# Altium PCB Layout.PcbDoc (part 1 of 2) (continued)
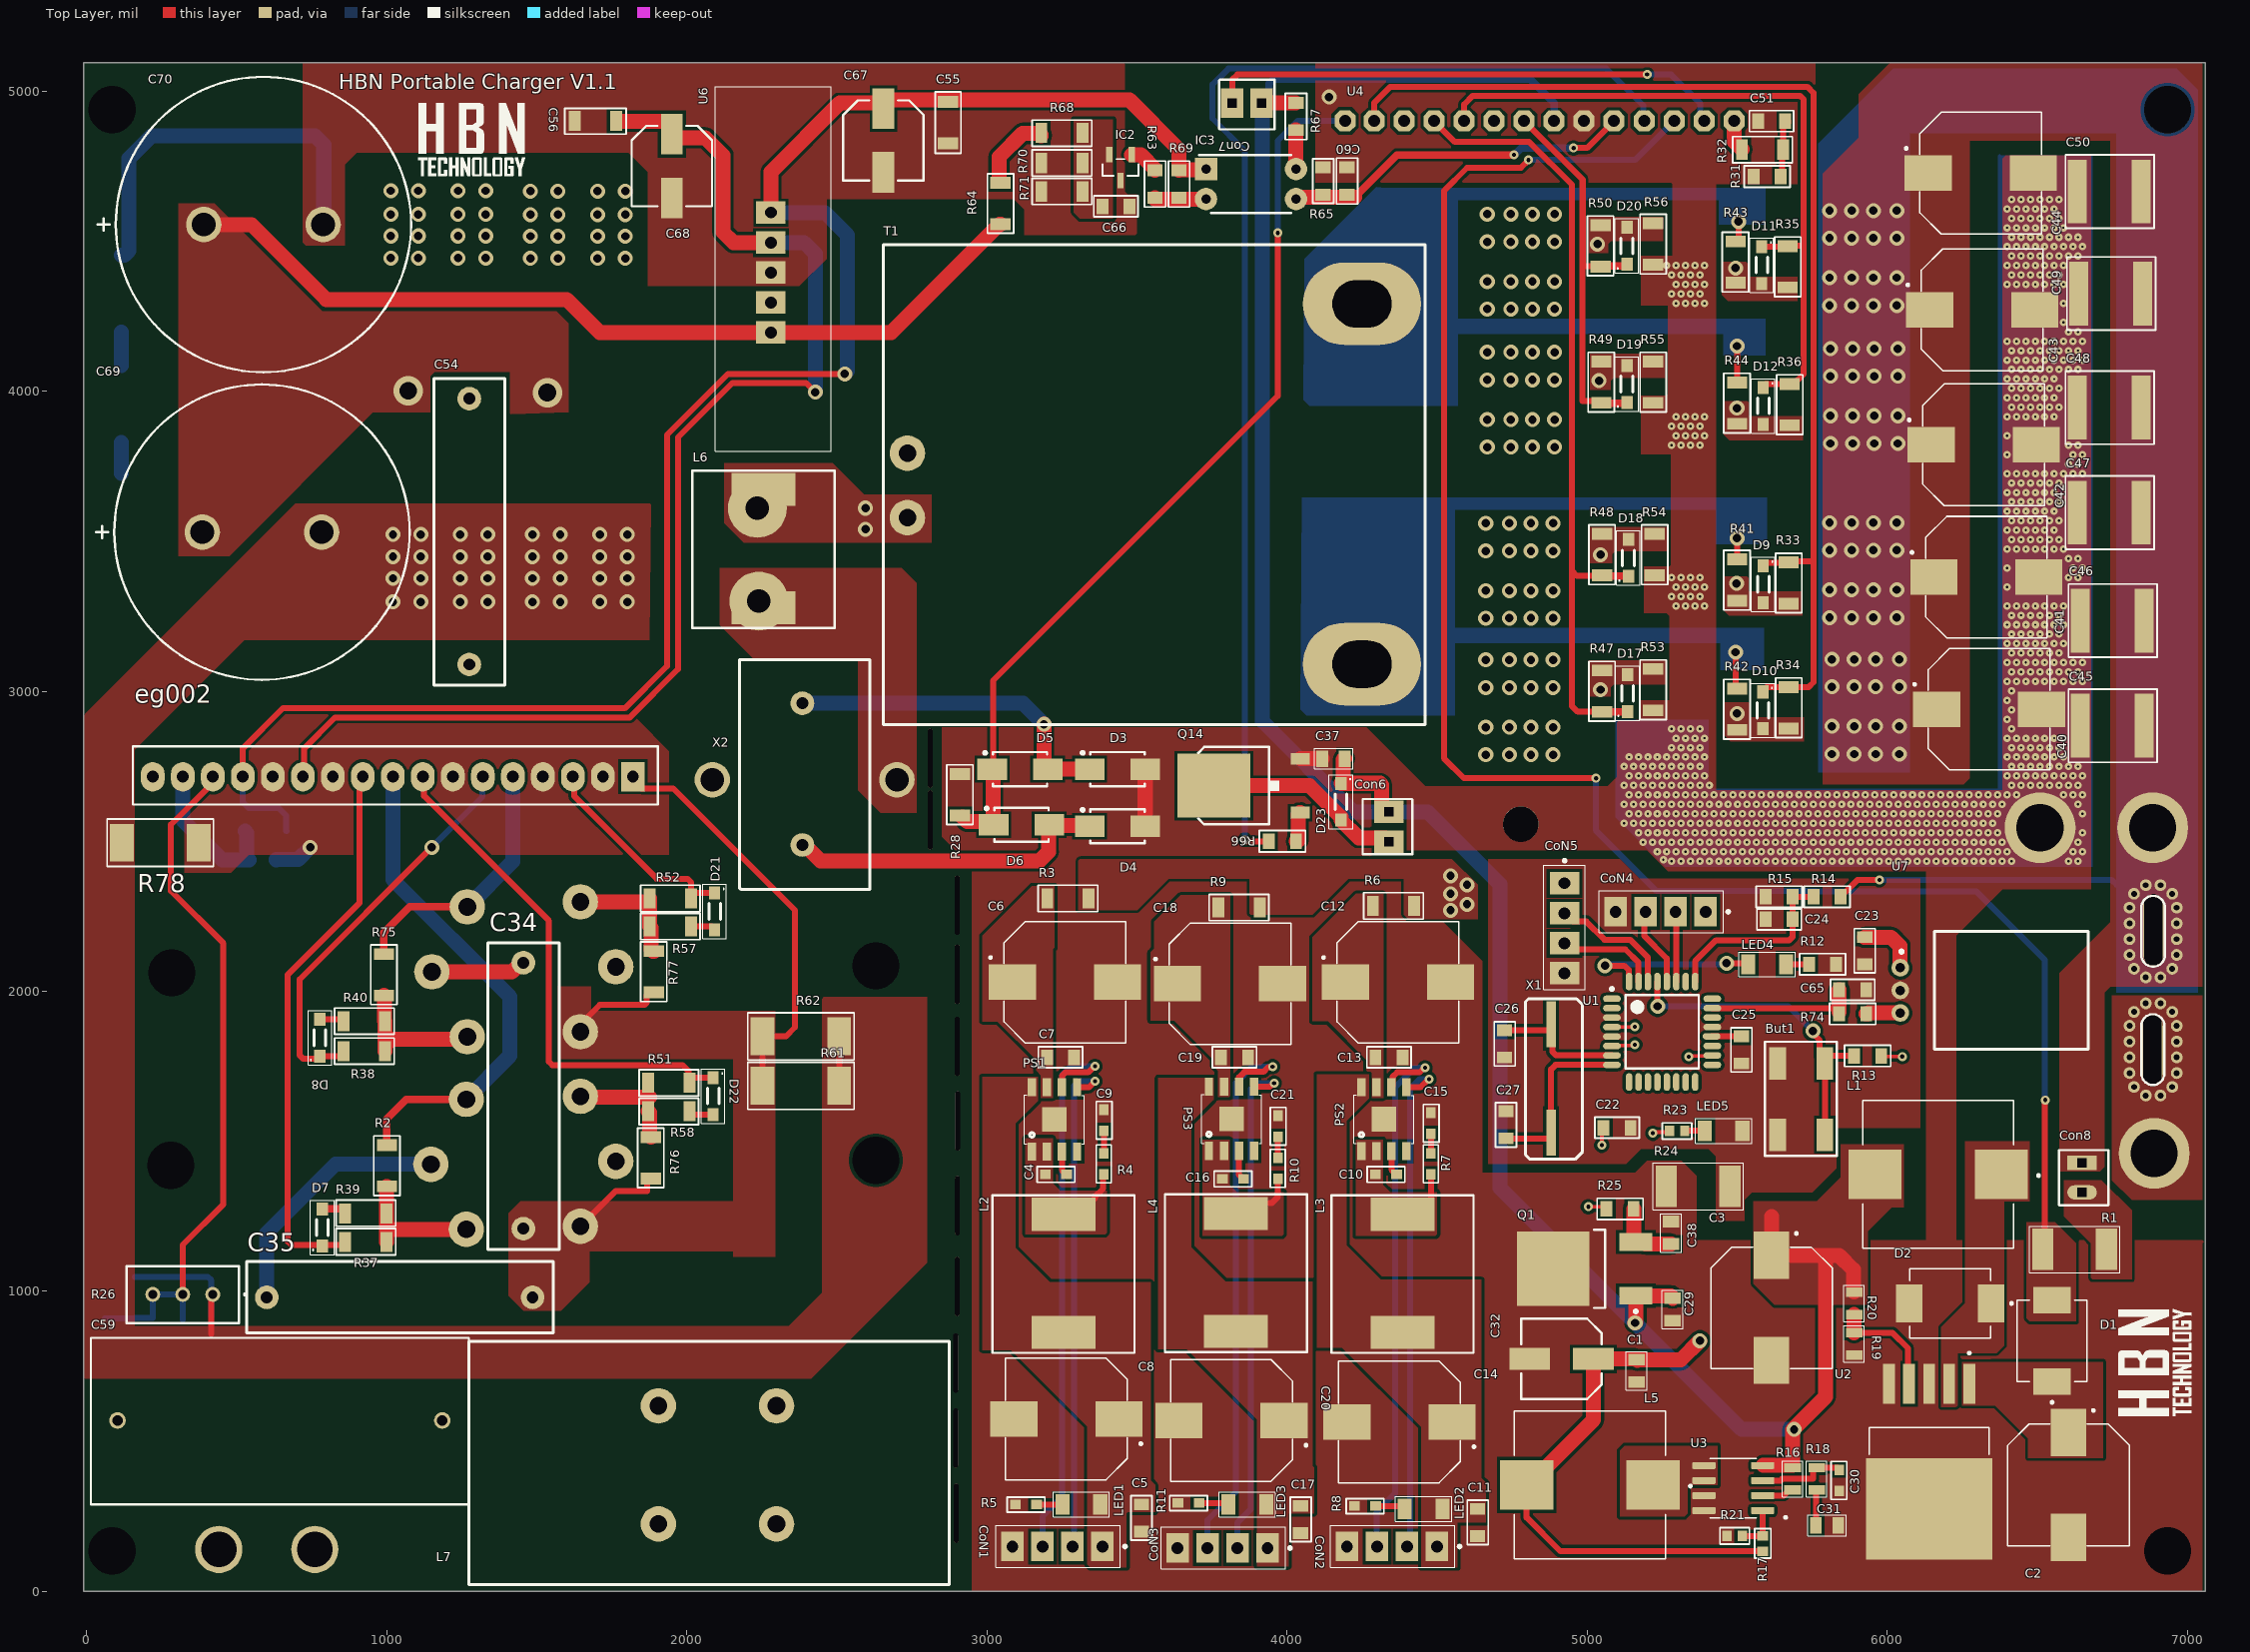
[diagram p0: Top Layer view]
## Components (designator, comment, footprint, x,y, rotation, side; value= is the part's Value field where it differs from the comment) (continued)
D17 "1n4148" SOD123 5136.97,2934.43 r90 top
D18 "1n4148" SOD123 5140,3385 r90 top
D19 "1n4148" SOD123 5135,3965 r90 top
D20 "1n4148" SOD123 5135,4425 r90 top
D21 "1n4148" SOD123 2090,2325 r270 top
D22 "1n4148" SOD123 2085,1710 r270 top
D23 "1n4148" SOD123 4178.03,2690.57 r270 top
eg002 "eg002" eg002 1820,2715 r270 top
IC2 "TL431ACDBZR" SOT95P237X112-3N 3445,4745 r270 top
IC3 "EL817(C)" DIP762W60P254L458H480Q4N 3880,4690 r0 top
L1 "220uH" IND_MDH12577C-101MA=P3 6170,1390 r180 top
L2 "inducter_SMPI06050" inductor 3255,1060 r180 top
L3 "inducter_SMPI06050" inductor 4385,1060 r180 top
L4 "inducter_SMPI06050" inductor 3830,1063.15 r180 top
L5 "220uH" IND_MDH12577C-101MA=P3 5009.37,355 r180 top
L6 "inducter_SMPI06050" inductor 2255,3475 r180 top
L7 "choke" choke 2298.7,618.7 r180 top
LED1 "LTST-C150KGKT" LED1206 3315,290 r0 top
LED2 "LTST-C150KGKT" LED1206 4455,275 r0 top
LED3 "LTST-C150KGKT" LED1206 3867.99,290 r0 top
LED4 "LTST-C150KGKT" LED1206 5600,2090 r0 top
LED5 "LTST-C150KGKT" LED1206 5455,1535 r180 top
PS1 "IP6505" IP6505 3225,1573.23 r90 top
PS2 "IP6505" IP6505 4323.02,1573.6 r90 top
PS3 "IP6505" IP6505 3815,1575 r90 top
Q1 "TO252_2" TO-252 5005,1075 r180 top
Q2 "TO-263" DPAK_TO263 5755,3400 r0 bottom
Q3 "TO-263" DPAK_TO263 5763.03,2944.88 r0 bottom
Q4 "TO-263" DPAK_TO263 5755,4440 r0 bottom
Q5 "TO-263" DPAK_TO263 5758.03,3979.88 r0 bottom
Q6 "Sic Mosfet" 247 1265,1640 r270 bottom
Q7 "Sic Mosfet" 247 1268.11,2281.54 r270 bottom
Q8 "TO-263" DPAK_TO263 4940,2950 r180 bottom
Q9 "TO-263" DPAK_TO263 4940,3405 r180 bottom
Q10 "TO-263" DPAK_TO263 4945,3975 r180 bottom
Q11 "TO-263" DPAK_TO263 4945,4435 r180 bottom
Q12 "Sic Mosfet" 247 1645,1216.93 r90 bottom
Q13 "Sic Mosfet" 247 1645,1865 r90 bottom
Q14 "TO252" D-PAK_TO252AA 3855,2685 r90 top
R1 "10 1w" R-2512 6625,1140 r0 top
R2 "R-1206" R-1206W 1000,1418.9 r270 top
R3 "R-1206" R-1206W 3270,2310 r180 top
R4 "R-0603" R-0603W 3390,1425 r270 top
R5 "R-0603" R-0603W 3130,290 r0 top
R6 "R-1206" R-1206W 4355,2285 r180 top
R7 "R-0603" R-0603W 4480,1425 r270 top
R8 "R-0603" R-0603W 4260,285 r0 top
R9 "R-1206" R-1206W 3840,2280 r180 top
R10 "R-0603" R-0603W 3970,1410 r270 top
R11 "R-0603" R-0603W 3671.87,295 r0 top
R12 "R-0805" R-0805W 5785,2090 r0 top
R13 "R-0805" R-0805W 5935,1785 r0 top
R14 "R-0805" R-0805W 5800,2315 r0 top
R15 "R-0805" R-0805W 5640,2315 r0 top
R16 "100KΩ" R-0805 5685,375 r90 top
R17 "6.8KΩ" R-0603R 5585,160 r270 top
R18 "10KΩ" R-0805 5765,375 r90 top
R19 "RES SMD 1K OHM 1% 1/8W 0805" R-0805 5890,825 r90 top
R20 "11KΩ" R-0805 5890,960 r90 top
R21 "1.3KΩ" R-0603R 5492.02,184.79 r0 top
R22 "R-1206" R-1206W 160,980 r90 bottom
R23 "510Ω" R-0603R 5300,1535 r180 top
R24 "0Ω" R-2512 5370,1350 r0 top
R25 "R-0805" R-0805W 5110,1275 r0 top
R26 "3386W-1-503LF" 3386W 320,893.94 r180 top
R27 "R-1206" R-1206W 596.38,2533.4 r180 bottom
R28 "R-1206" R-1206W 2910,2655 r90 top
R29 "R-1206" R-1206W 60,840 r90 bottom
R30 "10 1w" R-2512W 115.71,3957.15 r270 bottom
R31 "R-0805" R-0805W 5600,4715 r0 top
R32 "R-1206" R-1206W 5585,4805 r180 top
R33 "R-1206" R-1206W 5671.62,3360.35 r270 top
R34 "R-1206" R-1206W 5671.46,2944.72 r270 top
R35 "R-1206" R-1206W 5667.99,4414.17 r270 top
R36 "R-1206" R-1206W 5675,3955 r270 top
R37 "R-1206" R-1206W 930,1165 r0 top
R38 "R-1206" R-1206W 925,1800 r0 top
R39 "R-1206" R-1206W 930,1260 r0 top
R40 "R-1206" R-1206W 925,1900 r0 top
R41 "R-1206" R-1206W 5500,3370 r90 top
R42 "R-1206" R-1206W 5500,2940 r90 top
R43 "R-1206" R-1206W 5495,4430 r90 top
R44 "R-1206" R-1206W 5500,3960 r90 top
R45 "10 1w" R-2512W 115,4325 r270 bottom
R47 "R-1206" R-1206W 5050,3000 r90 top
R48 "R-1206" R-1206W 5050,3455 r90 top
R49 "R-1206" R-1206W 5047.91,4029.86 r90 top
R50 "R-1206" R-1206W 5045,4483.9 r90 top
R51 "R-1206" R-1206W 1940,1695 r180 top
R52 "R-1206" R-1206W 1945,2310 r180 top
R53 "R-1206" R-1206W 5220,3005 r270 top
R54 "R-1206" R-1206W 5225,3455 r270 top
R55 "R-1206" R-1206W 5220,4030 r270 top
R56 "R-1206" R-1206W 5220,4490 r270 top
R57 "R-1206" R-1206W 1945.02,2216.52 r180 top
R58 "R-1206" R-1206W 1940,1600 r180 top
R61 "10 1w" R-2512W 2380,1685 r180 top
R62 "10 1w" R-2512W 2380,1850 r180 top
R63 "R-0805" R-0805W 3560,4690 r270 top
R64 "R-1206" R-1206W 3045,4625 r270 top
R65 "R-0805" R-0805W 4200,4700 r90 top
R66 "R-0805" R-0805W 3985,2500 r0 top
R67 "R-0805" R-0805W 4030,4915 r270 top
R68 "R-1206" R-1206W 3250,4860 r180 top
R69 "R-0805" R-0805W 3640,4690 r270 top
R70 "R-1206" R-1206W 3250,4760 r0 top
R71 "R-1206" R-1206W 3250,4665 r0 top
R73 "10 1w" R-2512W 115,3597.05 r270 bottom
R74 "R-0805" R-0805W 5885,1925 r180 top
R75 "R-1206" R-1206W 990,2055 r270 top
R76 "R-1206" R-1206W 1880,1445 r90 top
R77 "R-1206" R-1206W 1890,2065 r90 top
R78 "10 1w" R-2512W 245,2495 r180 top
T1 "eq4020" eq4020 2695,2893.15 r0 top
U1 "ATMEGA328P-AU" TQFP80P900X900X120-32N 5250,1865 r0 top
U2 "LM2576S-12/NOPB" VREG_TPS79625KTTR 6140,275 r270 top
U3 "SR2803" SOP127P600X175-8N 5487.17,344.79 r180 top
U4 "EG8025" EGT003 4890,4850 r180 top
U6 "EG1185" EG1185 2280,4345 r0 top
U7 "ACS758ECB-200B-PFF-T" ACS756SCA-050B-PFF-T_2 6670,2200 r270 top
X1 "Crystal" crystal 4880,1890 r270 top
X2 "ct" ct 2385,2960 r270 top

## Footprints (in the part's own frame and the unit in brackets; to place one, negate y for a bottom-side part, rotate by r counter-clockwise, add the part's x,y. Pads: shape width x height; smd on the part's side, far side on the other; paste and mask are expansions set on the pad)
2pinCon [mm]
  rect 2.5x1.9 hole 0.762 square: 1(0,0.025) 2(0,-2.475)
  silkscreen extent -1.96,-3.57 2.22,1.1, body extent -3.3,-3.81 3.05,1.27, height 10.68
4pinCon [mm]
  rect 2.5x1.9 hole 1: 1(0,-3.81) 2(0,-1.27) 3(0,1.27) 4(0,3.81)
  silkscreen extent -1.75,-5.83 1.78,5.21, body extent -1.18,-4.95 1.4,5.21, height 4.94
247 [mm]
  round 3 hole 1.5: 1(11,0) 2(5.5,3) 3(0,0)
  round 1.524 hole 4: 4(5.588,25.019)
  silkscreen extent -2.54,-1.78 13.46,30.35, body extent -2.29,-0.31 13.31,30.29, height 5.01
"680nF bulk" [mm]
  round 2 hole 1: 1(1.75,3) 2(24.25,3)
  silkscreen extent 0,-0.03 25.95,6, body extent -0.35,-0.05 26.15,5.95, height 15
3386W [mm]
  round 1.26 hole 0.76: 1(-2.54,-2.44) 2(0,-2.44) 3(2.54,-2.44)
  silkscreen extent -5.32,-4.83 4.76,0
ACS756SCA-050B-PFF-T_2 [mm]
  round 1.5 hole 0.8: 1(3.09,-15.9) 2(5,-15.9) 3(6.91,-15.9)
  round 1 hole 0.5: 4(6.098,6.118) 4(6.098,4.882) 4(6.824,7.118) 4(6.824,3.882) 4(8,7.5) 4(8,3.5) 4(9.333,7.5) 4(9.333,3.5) 4(10.667,7.5) 4(10.667,3.5) 4(12,7.5) 4(12,3.5) 4(13.176,3.882) 4(13.176,7.118) 4(13.902,4.882) 4(13.902,6.118) 5(-3.902,6.118) 5(-3.902,4.882) 5(-3.176,7.118) 5(-3.176,3.882) 5(-2,7.5) 5(-2,3.5) 5(-0.667,7.5) 5(-0.667,3.5) 5(0.667,7.5) 5(0.667,3.5) 5(2,7.5) 5(2,3.5) 5(3.176,7.118) 5(3.176,3.882) 5(3.902,6.118) 5(3.902,4.882)
  silkscreen extent -3,-15.94 13.01,6.5, body extent -1.95,-16.37 12.05,6.27, height 7
ButTON [mm]
  rect 2.75x1.4 smd: 1(0,0) 1(6.05,0) 2(0,4) 2(6.05,4)
  silkscreen extent -1.78,-1.02 7.87,5.08, body extent -1.46,-0.98 7.56,5.05, height 9
C-0603W [mm] "capacitor 0603 wave soldering"
  rect 0.9x0.8 smd: 1(-0.9,0) 2(0.9,0)
  silkscreen extent -1.6,-0.65 1.6,0.67, body extent -0.8,-0.4 0.8,0.4, height 0.3
C-0805 [mm]
  rect 1x1.4 smd: 1(-0.95,0) 2(0.95,0)
  silkscreen extent -1.63,-0.87 1.63,0.87, body extent -1,-0.62 1,0.63, height 1.01
C-0805W [mm] "capacitor 0805 wave soldering"
  rect 1x1.3 smd: 1(-1.15,0) 2(1.15,0)
  silkscreen extent -1.88,-0.9 1.88,0.87, body extent -1,-0.63 1,0.63, height 0.78
C-1206W [mm] "capacitor 1206 wave soldering"
  rect 1x1.7 smd: 1(-1.75,0) 2(1.75,0)
  silkscreen extent -2.6,-1.07 2.6,1.1, body extent -1.6,-0.8 1.6,0.8, height 1
C-2220R [mm] "capacitor 2220 reflow soldering"
  rect 1.6x5.4 smd: 1(-2.7,0) 2(2.7,0)
  silkscreen extent -3.8,-3.1 3.7,3.1, body extent -2.85,-2.5 2.85,2.5, height 2.24
"CAP.POL 22UF 500VDC - duplicate" [mm]
  round 1.4 hole 0.9: 1(0,0) 2(27.5,0)
  silkscreen extent -2.25,-6.98 29.75,7.11, body extent -1.22,-6.45 28.77,6.55, height 23.01
CAP_EEETC1C331V#1 [mm]
  rect 4x3 smd paste-2 mask+0: 1(-4.445,0) 2(4.445,0)
  silkscreen extent -6.4,-5.15 5.15,5.15, body extent -5.85,-5.15 5.85,5.15, height 10.52
CAP_EEETC1C331V#2 [mm]
  rect 4x3 smd paste-2 mask+0.102: 1(-4.445,0)
  rect 4x3 smd paste-2 mask+0: 2(4.445,0)
  silkscreen extent -6.4,-5.15 5.15,5.15, body extent -5.85,-5.15 5.85,5.15, height 10.52
CapSmdElc [mm] "Aluminum Electrolytic Capacitor, Body 6.70x6.70x6.30mm, IPC Low Density"
  rect 3.45x1.85 smd: 1(-2.7,0) 2(2.7,0)
  silkscreen extent -3.4,-3.4 3.4,3.4, body extent -3.45,-3.27 3.55,3.32, height 6.92
choke [mm]
  round 3 hole 1.5: 1(0,0) 2(0,10) 3(10,0) 4(10,10)
  silkscreen extent -14.61,-5.46 26.04,15.11
Conn [mm]
  rect 2.5x1.2 hole 0.762 square: 1(0,0.025)
  oval 2.5x1.2 hole 0.762 square: 2(0,-2.475)
  silkscreen extent -1.96,-3.57 2.22,1.1, body extent -1.24,-3.74 1.3,1.34, height 8.15
crystal [mm]
  rect 3.9x0.8 smd: 1(0,0) 2(9.153,0)
  silkscreen extent -2.16,-2.16 11.43,2.67, body extent -1.67,-2.27 10.83,2.53, height 4.01
ct [mm]
  round 2 hole 1: 1(0,0) 2(12,0)
  round 3 hole 2: 3(6.477,-7.62) 4(6.477,8.001)
  silkscreen extent -3.68,-5.33 15.75,5.72
D-PAK_TO252AA [mm] "D-PAK_TO252AA"
  rect 1x1.6 smd: 1(-2.28,-4.8) 3(2.28,-4.8)
  rect 5.4x6.2 smd: 4(0,2.5)
  silkscreen extent -3.28,-3.02 3.28,3.82, body extent -3.35,-4.82 3.15,3.88, height 2.3
DIOM7959X265N [mm]
  rect 2.25x3.18 smd: A(3.455,0) C(-3.455,0)
  silkscreen extent -5.3,-2.95 3.44,2.95, body extent -4.1,-2.95 3.84,2.95, height 2.62
DIP762W60P254L458H480Q4N [mm]
  rect 1.9x1.9 hole 0.8: 1(-3.81,1.27)
  round 1.9 hole 0.8: 2(-3.81,-1.27) 3(3.81,-1.27) 4(3.81,1.27)
  silkscreen extent -4.41,-2.44 3.4,2.44, body extent -3.96,-2.29 3.96,2.29, height 4.8
DO-214AC [mm]
  rect 2.5x1.8 smd: a(2.35,0) k(-2.35,0)
  silkscreen extent -3.07,-1.45 2.3,1.51, body extent -2.77,-1.42 2.72,1.37, height 2.3
DPAK_TO263 [mm] "D2-PAK, 3-Pads, Body 7.93x8.70mm (max), IPC Medium Density"
  rect 3.81x2.32 smd: 1(-6.2,2.54) 2(-6.2,-2.54)
  rect 9.65x11 smd: 3(5,0)
  silkscreen extent -6.32,-5.35 -1.62,5.35, body extent -7.51,-4.98 8.16,5.02, height 4.81
"DPAK_TO263 - sch" [mm] "D2-PAK, 3-Pads, Body 7.93x8.70mm (max), IPC Medium Density"
  rect 3.81x2.32 smd: 1(-6.2,2.54) 2(-6.2,-2.54)
  rect 9.65x11 smd: 1(5,0)
  silkscreen extent -6.32,-5.35 -1.62,5.35, body extent -7.51,-4.98 8.16,5.02, height 4.81
eg002 [mm]
  rect 2.5x2 hole 1: 1(0,0)
  oval 2.5x2 hole 1: 2(0,-2.54) 3(0,-5.08) 4(0,-7.62) 5(0,-10.16) 6(0,-12.7) 7(0,-15.24) 8(0,-17.78) 9(0,-20.32) 10(0,-22.86) 11(0,-25.4) 12(0,-27.94) 13(0,-30.48) 14(0,-33.02) 15(0,-35.56) 16(0,-38.1) 17(0,-40.64)
  silkscreen extent -2.57,-42.33 2.35,2.12, body extent -4.98,-41.28 1.32,5.58, height 34.09
EG1185 [mm]
  rect 2.5x1.9 hole 1: 1(0,-3.81) 2(0,-1.27) 3(0,1.27) 4(0,3.81) 5(0,6.35)
  silkscreen extent -4.7,-13.84 5.08,17.02
EGT003 [mil] "2X13"
  oct 70x70 / inner round 0 / far side oct 70x70 hole 40: 1(-600,-50) 2(-500,-50) 3(-400,-50) 4(-300,-50) 5(-200,-50) 6(-100,-50) 7(0,-50) 8(100,-50) 9(200,-50) 10(300,-50) 11(400,-50) 12(500,-50) 13(600,-50) 14(696.67,-50.56)
eq4020 [mm]
  round 3 hole 1.5: 1(1.016,22.86) 2(1.016,17.399)
  oval 10x7 hole 4 slot 5 at 0 deg: 3(39.497,5) 4(39.497,35.5)
  silkscreen extent -1.02,-0.13 44.83,40.51
IND_MDH12577C-101MA=P3 [mm]
  rect 4.5x4.2 smd: 1(-5.35,0) 2(5.35,0)
  silkscreen extent -8.6,-6.25 6.4,6.25, body extent -6.36,-6.28 6.44,6.22, height 8
inductor [mm]
  rect 5.4x2.8 smd: 1(0,5) 2(0,-5)
  silkscreen extent -6.02,-6.6 6.02,6.73, body extent -6.38,-6.25 6.12,6.25, height 8.01
IP6505 [mm]
  rect 1.525x0.7 smd: 1(-2.712,1.905) 2(-2.712,0.635) 3(-2.712,-0.635) 4(-2.712,-1.905) 5(2.712,-1.905) 6(2.712,-0.635) 7(2.712,0.635) 8(2.712,1.905)
  rect 2.09x2.09 smd: 9(0,0)
  silkscreen extent -2.06,-2.54 2.06,2.55, body extent -3,-2.45 3,2.45, height 1.65
Koshin [mm]
  round 3 hole 2: 1(0,0) 2(10.1,0)
  silkscreen extent -7.45,-12.5 19.1,12.5, body extent -6.05,-11.18 15.95,10.82, height 49.77
LED1206 [mm]
  rect 1.2x1.7 smd: 1(-1.6,0) 2(1.6,0)
  silkscreen extent -2.4,-1.05 2.37,1.05, body extent -1.73,-0.8 1.48,0.8, height 1.11
R-0603R [mm] "resistor 0603 reflow soldering"
  rect 0.8x0.9 smd: 1(-0.65,0) 2(0.65,0)
  silkscreen extent -1.25,-0.67 1.25,0.7, body extent -0.8,-0.4 0.8,0.4, height 0.45
R-0603W [mm] "resistor 0603 wave soldering"
  rect 0.9x0.8 smd: 1(-0.9,0) 2(0.9,0)
  silkscreen extent -1.6,-0.65 1.6,0.63, body extent -0.8,-0.4 0.8,0.4, height 0.45
R-0805 [mm]
  rect 0.8x1.4 smd: 1(-0.95,0) 2(0.95,0)
  silkscreen extent -1.53,-0.87 1.53,0.87, body extent -1,-0.62 1,0.62, height 0.56
R-0805W [mm] "resistor 0805 wave soldering"
  rect 1x1.3 smd: 1(-1.15,0) 2(1.15,0)
  silkscreen extent -1.95,-0.9 1.95,0.9, body extent -1,-0.62 1,0.63, height 0.5
R-1206W [mm] "resistor 1206 wave soldering"
  rect 1x1.7 smd: 1(-1.75,0) 2(1.75,0)
  silkscreen extent -2.52,-1.1 2.52,1.12, body extent -1.55,-0.77 1.55,0.78, height 0.55
R-2512 [mm]
  rect 1.8x3.5 smd: 1(-2.7,0) 2(2.7,0)
  silkscreen extent -3.83,-1.97 3.85,1.97, body extent -3.21,-1.57 3.09,1.58, height 0.59
R-2512W [mm] "resistor 2512 wave soldering"
  rect 2x3.2 smd: 1(-3.25,0) 2(3.25,0)
  silkscreen extent -4.5,-2 4.5,2, body extent -3.15,-1.55 3.15,1.55, height 0.55
SOD123 [mm]
  rect 1.1x0.95 smd: a(3.063,0.05) k(-0.062,0.05)
  silkscreen extent -0.8,-0.95 3.8,1.05, body extent -0.38,-0.78 3.32,0.83, height 1.28
SOP127P600X175-8N [mm]
  rrect25% 1.95x0.59 smd: 1(-2.48,1.905) 2(-2.48,0.635) 3(-2.48,-0.635) 4(-2.48,-1.905) 5(2.48,-1.905) 6(2.48,-0.635) 7(2.48,0.635) 8(2.48,1.905)
  silkscreen extent -4.53,-2.52 1.95,2.59, body extent -3,-2.42 3,2.42, height 2.1
SOT95P237X112-3N [mil]
  rect 52x22 smd: 1(-43,37) 2(-43,-37)
  rect 52x20 smd: 3(43,0)
  silkscreen extent -28,-60 28,60, body extent -50,-57 50,57, height 40
TO-252 [mm]
  rect 2.8x1.5 smd: 1(-4,2.275) 3(-4,-2.275)
  rect 6.1x6.3 smd: 4(3,0)
  silkscreen extent -4.13,-3.3 -0.45,3.72, body extent -4.52,-3.37 5.58,3.37, height 2.41
TQFP80P900X900X120-32N [mm] "TQFP, 32-Leads, Body 7.00x7.00mm, Pitch 0.80mm, IPC Medium Density"
  oval 1.5x0.55 smd: 1(-4.25,2.8) 2(-4.25,2) 3(-4.25,1.2) 4(-4.25,0.4) 5(-4.25,-0.4) 6(-4.25,-1.2) 7(-4.25,-2) 8(-4.25,-2.8) 17(4.25,-2.8) 18(4.25,-2) 19(4.25,-1.2) 20(4.191,-0.381) 21(4.25,0.4) 22(4.25,1.2) 23(4.25,2) 24(4.25,2.8)
  oval 0.55x1.5 smd: 9(-2.8,-4.25) 10(-2,-4.25) 11(-1.2,-4.25) 12(-0.4,-4.25) 13(0.4,-4.25) 14(1.2,-4.25) 15(2,-4.25) 16(2.8,-4.25) 25(2.8,4.25) 26(2,4.25) 27(1.2,4.25) 28(0.4,4.25) 29(-0.4,4.25) 30(-1.2,4.25) 31(-2,4.25) 32(-2.8,4.25)
  silkscreen extent -4.37,-3.1 3.1,3.75, body extent -4.44,-4.5 4.55,4.5, height 1.6
VREG_TPS79625KTTR [mm]
  rect 3.4x1 smd paste-3 mask+0: 1(-10.6,3.4) 2(-10.6,1.7) 3(-10.6,0) 4(-10.6,-1.7) 5(-10.6,-3.4)
  rect 8.6x10.7 smd paste-6 mask+0: 6(0,0)
  silkscreen extent -13.3,-5.08 -4.62,5.08, body extent -11.52,-5.1 2.83,5.06, height 4.78

## Part data
C1 C29 C31 C37 C38: library part C-0805
C2 C3: library part "CAP 330UF SMD", "CAP ALUM 330UF 20% 16V SMD", Package="RADIAL-2 Panasonic", Availability="In Stock", Check_prices=https://www.snapeda.com/parts/EEE-TC1C331V/Panasonic/view-part/6178283/?ref=eda, MF="Panasonic Electronic Components", MP=EEE-TC1C331V, Price=None, Purchase-URL=https://pricing.snapeda.com/search/part/EEE-TC1C331V/?ref=eda, SnapEDA_Link=https://www.snapeda.com/parts/EEE-TC1C331V/Panasonic/view-part/6178283/?ref=snap
C6 C8 C12 C14 C18 C20 C40 C41 C42 C43 C44: library part "Aluminum Electrolytic Capacitors", Capacitance=4.7mF, Case/Package=Radial, Manufacturer=Nichicon, Manufacturer Part Number=LKS1J472MESZ, Max Operating Temperature=85°C, Min Operating Temperature=-40°C, Package Quantity=250, Ripple Current=3A, Supplier Part Number 1=647-LKS1J472MESZ, Tolerance=20%, Voltage Rating=63V, ComponentLink2Description=https://www.ozdisan.com/pasif-komponentler/kondansatorler/aluminyum-kondansatorler/PKL5-063V472MM450, ComponentLink2URL=https://www.ozdisan.com/pasif-komponentler/kondansatorler/aluminyum-kondansatorler/PKL5-063V472MM450, Diameter=22mm, Height - Seated (Max)=1.772inch, Lead Pitch=0.394inch, Length=45mm, Life (Hours)=1000Hour, Mount="Through Hole", Packaging=Bulk, RoHS=Yes, Supplier 1=Mouser, Termination="Snap in", Voltage Rating (DC)=63V
C30: library part C-0603
C32: library part "100 uF Electr Cap"
C34 C35 C54: library part 680
C45 C46 C47 C48 C49 C50: library part Cap2220, "2220", Manufacturer=SAMSUNG, Özdisan Part Number=CL31B475KBHNNNE, Link=https://www.ozdisan.com/pasif-komponentler/kondansatorler/smd-kondansatorler-mlcc/CL31B475KBHNNNE, Price=0,10407
C59: library part "CAP.POL 22UF 500VDC", ComponentLink1Description=https://www.ozdisan.com/pasif-komponentler/kondansatorler/film-kondansatorler/C3D2H226JB00C00, ComponentLink1URL=https://www.ozdisan.com/pasif-komponentler/kondansatorler/film-kondansatorler/C3D2H226JB00C00
C67 C68: library part CAPSMDELC
C69 C70: library part "CAP.EL.220uF 500V", ComponentLink1Description=https://www.ozdisan.com/pasif-komponentler/kondansatorler/aluminyum-kondansatorler/K055002210PM0E040, ComponentLink1URL=https://www.ozdisan.com/pasif-komponentler/kondansatorler/aluminyum-kondansatorler/K055002210PM0E040
D1 D2: "Diode Schottky 40V 5A Surface Mount DO-214AA (SMB)", Package="DO-214 ON Semiconductor", Arrow_Electronics-Purchase-URL=https://snapeda.com/shop?store=Arrow+Electronics&id=432205, Availability=Good, DigiKey-Purchase-URL=https://snapeda.com/shop?store=DigiKey&id=432205, MF="ON Semiconductor", Mouser-Purchase-URL=https://snapeda.com/shop?store=Mouser&id=432205, MP=MBRS320T3G, Price=None, SnapEDA_Link=https://www.snapeda.com/parts/MBRS320T3G/ON%20Semiconductor/view-part/432205/?ref=snap
D3 D4 D5 D6 D13 D14 D15 D16: "DIODE FAST SWITCHING Single 150mA 75V SMT SOD323"
D7 D8 D9 D10 D11 D12 D17 D18 D19 D20 D21 D22 D23: library part 1N4148W-E3-18, "Diode Small Signal Switching 100V 0.15A 2-Pin SOD-123 T/R", Average Rectified Current=150mA, Forward Voltage=1.2V, Manufacturer=Vishay, Max Operating Temperature=150°C, Max Power Dissipation=350mW, Max Repetitive Reverse Voltage (Vrrm)=100V, Max Reverse Leakage Current=5uA, Max Reverse Voltage (DC)=75V, Max Surge Current=2A, Min Operating Temperature=-55°C, Package Quantity=10000, Peak Reverse Current=100uA, Supplier Part Number 1=70061597, ComponentLink1Description=https://datasheet.ciiva.com/29885/1n4148w-29885941.pdf?src-supplier=Avnet, ComponentLink1URL=https://datasheet.ciiva.com/29885/1n4148w-29885941.pdf?src-supplier=Avnet, ComponentLink2Description=https://datasheet.ciiva.com/29593/1n4148w-29593113.pdf?src-supplier=Digi-Key, ComponentLink2URL=https://datasheet.ciiva.com/29593/1n4148w-29593113.pdf?src-supplier=Digi-Key, ComponentLink3Description=https://datasheet.ciiva.com/29593/1n4148w-29593111.pdf?src-supplier=Digi-Key, ComponentLink3URL=https://datasheet.ciiva.com/29593/1n4148w-29593111.pdf?src-supplier=Digi-Key, ComponentLink4Description=https://datasheet.ciiva.com/29593/1n4148w-29593112.pdf?src-supplier=Digi-Key, ComponentLink4URL=https://datasheet.ciiva.com/29593/1n4148w-29593112.pdf?src-supplier=Digi-Key, Contact Plating=Tin, Element Configuration=Single, Forward Current=150mA, Height=1.25mm, Lead Free="Lead Free", Length=2.85mm, Manufacturer Part Number=1N4148W-E3-18, Mount="Surface Mount", Number of Pins=2, Packaging="Tape and Reel", Peak Non-Repetitive Surge Current=2A, Power Dissipation=350mW, Pricing 1="1 = 0.03900, 25 = 0.03800, 100 = 0.03600, 250 = 0.03400, 500 = 0.03200, 1000 = 0.03100, 2500 = 0.02900 (USD)", Radiation Hardening=No, Recovery Time=4ns, Reverse Recovery Time=4ns, RoHS=Yes, Stock 1=6838, Supplier 1="Allied Electronics", Weight=0.000363oz, Width=1.7mm
IC2: "Integrated Circuit", Manufacturer_Name="Texas Instruments", Mouser Part Number=595-TL431ACDBZR, Arrow Part Number=TL431ACDBZR, Arrow Price/Stock=https://www.arrow.com/en/products/tl431acdbzr/texas-instruments?region=nac, Datasheet Link=https://datasheet.datasheetarchive.com/originals/distributors/SFDatasheet-6/sf-000131849.pdf, Manufacturer_Part_Number=TL431ACDBZR, Mouser Price/Stock=https://www.mouser.co.uk/ProductDetail/Texas-Instruments/TL431ACDBZR?qs=odmYgEirbwzMcBuFx%2Fo8hQ%3D%3D
IC3: "Integrated Circuit", Manufacturer_Name=Everlight, Mouser Part Number=638-EL817C, Datasheet Link=https://componentsearchengine.com/Datasheets/1/EL817(C).pdf, Height=4.8mm, Manufacturer_Part_Number=EL817(C), Mouser Price/Stock=https://www.mouser.com/Search/Refine.aspx?Keyword=638-EL817C
L1 L5: library part "220uH Inductor SMD", "Inductor Power Shielded Wirewound 220uH 20% 100KHz Ferrite 1.1A 0.325Ohm DCR 5049 Automotive T/R", Package=None, Availability=Unavailable, MP=MDH12577C-101MA=P3, Price=None
LED1 LED2 LED3 LED4 LED5: "LED", Manufacturer_Name=Lite-On, Mouser Part Number=859-LTST-C150KGKT, RS Part Number=6920871, Datasheet Link=http://optoelectronics.liteon.com/upload/download/ds22-2000-072/ltst-c150kgkt.pdf, Height=1.2mm, Manufacturer_Part_Number=LTST-C150KGKT, Mouser Price/Stock=https://www.mouser.com/Search/Refine.aspx?Keyword=859-LTST-C150KGKT, RS Price/Stock=https://uk.rs-online.com/web/p/products/6920871
PS1 PS2 PS3: "Power Supply", Manufacturer_Name=INJOINIC, Datasheet Link=https://datasheet.lcsc.com/szlcsc/INJOINIC-IP6505_C188335.pdf, Height=1.65mm, Manufacturer_Part_Number=IP6505
Q1: Case/Package=D2PAK, Continuous Drain Current (ID)=110A, Drain to Source Breakdown Voltage=55V, Drain to Source Resistance=8mR, Gate to Source Voltage (Vgs)=20V, Input Capacitance=3.247nF, Manufacturer=Infineon, Manufacturer Part Number=IRF3205STRLPBF, Max Operating Temperature=175°C, Max Power Dissipation=200W, Min Operating Temperature=-55°C, Supplier Part Number 1=IRF3205STRLPBFCT-ND, Threshold Voltage=4V, ComponentLink1Description=https://www.alliedelec.com/m/d/b8827ca43655240244f0cc5c2198e6b1.pdf?src-supplier=Allied+Electronics, ComponentLink1URL=https://www.alliedelec.com/m/d/b8827ca43655240244f0cc5c2198e6b1.pdf?src-supplier=Allied+Electronics, ComponentLink2Description=https://www.infineon.com/dgdl/irf3205spbf.pdf?fileId=5546d462533600a4015355defac9190c&src-supplier=Digi-Key, ComponentLink2URL=https://www.infineon.com/dgdl/irf3205spbf.pdf?fileId=5546d462533600a4015355defac9190c&src-supplier=Digi-Key, ComponentLink3Description=http://www.infineon.com/dgdl/irf3205spbf.pdf?fileId=5546d462533600a4015355defac9190c&src-supplier=Digi-Key, ComponentLink3URL=http://www.infineon.com/dgdl/irf3205spbf.pdf?fileId=5546d462533600a4015355defac9190c&src-supplier=Digi-Key, ComponentLink4Description=http://www.farnell.com/datasheets/1884183.pdf?src-supplier=Element14, ComponentLink4URL=http://www.farnell.com/datasheets/1884183.pdf?src-supplier=Element14, Drain to Source Voltage (Vdss)=55V, Height=0.19inch, Lead Free="Lead Free", Length=0.42inch, Mount="Surface Mount", Number of Pins=3, Packaging="Cut Tape", Power Dissipation=200W, Pricing 1="1 = 1,84000, 10 = 1,66600, 100 = 1,33840 (USD)", Rds On Max=8mR, REACH SVHC="No SVHC", RoHS=Yes, Stock 1=3281, Supplier 1=Digi-Key, Turn-Off Delay Time=50ns, Turn-On Delay Time=14ns, Width=0.38inch
Q2 Q3 Q4 Q5 Q8 Q9 Q10 Q11: library part TO-263_1
Q6 Q7 Q12 Q13: library part "Sic Mosfet To247", "SiC Mosfet To247"
R1 R30 R45 R61 R62 R73 R78: library part R-2512
R16 R18: library part R-0805
R17 R21 R23: library part R-0603
R19: library part "1K 0805", "1 kOhms ±1% 0.125W, 1/8W Chip Resistor 0805 (2012 Metric) Moisture Resistant Thick Film", +Sicaklik=+155, -Sicaklik=-55, Cins=Direnc, Deger=1KΩ, Kılıf=0805, Lehim Yöntemi=SMD, MSL="1 (Unlimited)", Uretici Kodu=RC0805FR-071KL
R20: library part "RES 11KΩ SMD", "THICK FILM RESISTOR, 11KOHM, 125mW, 5%", Package=None, Availability=Unavailable, MP=CRCW080511K0JNEA, Price=None
R24: library part R-2512, "10 1w"
R26: "Resistor", Manufacturer_Name=Bourns, Mouser Part Number=652-3386W-1-503LF, Arrow Part Number=3386W-1-503LF, Arrow Price/Stock=https://www.arrow.com/en/products/3386w-1-503lf/bourns, Datasheet Link=http://www.bourns.com/docs/Product-Datasheets/3386.pdf, Manufacturer_Part_Number=3386W-1-503LF, Mouser Price/Stock=https://www.mouser.co.uk/ProductDetail/Bourns/3386W-1-503LF?qs=aZhnFHiXcUS20GqScAFfrw%3D%3D
U1: "Microchip Technology ATMEGA328P-AN, 8bit AVR Microcontroller, 20MHz, 32 kB Flash, 32-Pin TQFP"
U2: "SIMPLE SWITCHER&reg; 40V, 3A Low Component Count Step-Down Regulator 5-DDPAK/TO-263 -40 to 125", Package="TO-263-5 Texas Instruments", Availability=Warning, BuyPart=https://www.snapeda.com/parts/LM2576S-12/NOPB/Texas%20Instruments/view-part/470772/?ref=eda, DigiKey-Purchase-URL=https://snapeda.com/shop?store=DigiKey&id=470772, MF="Texas Instruments", Mouser-Purchase-URL=https://snapeda.com/shop?store=Mouser&id=470772, MP=LM2576S-12/NOPB, Price=None, SnapEDA_Link=https://www.snapeda.com/parts/LM2576S-12/NOPB/Texas%20Instruments/view-part/470772/?ref=snap, Texas_Instruments-Purchase-URL=https://snapeda.com/shop?store=Texas+Instruments&id=470772
U3: "330KHZ, 3A SYNCHRONOUS / BUCK CONTROLLER", Package="SOP-8 Taiwan Semiconductor", Availability="In Stock", Check_prices=https://www.snapeda.com/parts/TS2509CS%20RLG/Taiwan+Semiconductor+Corporation/view-part/?ref=eda, MF="Taiwan Semiconductor Corporation", MP="TS2509CS RLG", Price=None, SnapEDA_Link=https://www.snapeda.com/parts/TS2509CS%20RLG/Taiwan+Semiconductor+Corporation/view-part/?ref=snap
U4: library part EGT003
U6: library part eg1185
U7: "Undefined or Miscellaneous", Manufacturer_Name="Allegro Microsystems", Arrow Part Number=ACS758ECB-200B-PFF-T, Arrow Price/Stock=https://www.arrow.com/en/products/acs758ecb-200b-pff-t/allegro-microsystems, Datasheet Link=http://www.farnell.com/datasheets/926109.pdf, Manufacturer_Part_Number=ACS758ECB-200B-PFF-T
X1: "AS49SD-16M-FC160F3-TR"
Con8: System=Connector

## Free pads (board coordinates)
  oval 15x196.85 hole 15 slot 196.85 at 90 deg: 5(2811,2571.47) 5(2811,2776.47) 5(2896,511.47) 5(2896,761.47) 5(2897.57,260.67) 5(2901,1016.47) 5(2901,1816.47) 5(2901,2056.47) 5(2901,2286.47) 5(2901.75,1285.72) 5(2902.06,1568.41)
  round 118.11 hole 118.11: 8(4778.8,2557.29)
  round 157.48 hole 118.11: 12(440,140) 12(760,140)
  round 236.22 hole 157.48: 12(6510,2545) 12(6885,2545) 12(6890,1460)
  oval 70x230 hole 240 slot 60 at 0 deg: 29(6884.19,1803.49) 29(6887.73,2203.1)
  round 60 hole 157.48: 30(84.41,134.8) 30(84.41,4937.95) 30(6934.8,134.8) 30(6934.8,4937.95)
  round 196.85 hole 78.74: 31(2235,3610) 31(2240,3300)

## Via types
v1: diameter 25/25 (per signal layer), hole 7.87, Top Layer to Bottom Layer, 757 vias
v2: diameter 50, hole 28, Top Layer to Bottom Layer, 224 vias
v3: diameter 30, hole 14, Top Layer to Bottom Layer, 22 vias
v4: diameter 98.43, hole 59.06, Top Layer to Bottom Layer, 2 vias

## Nets (pads, with @x,y where several pads share a name; then routed paths per layer and width w, separated by ;. In a path a pad name is that pad's centre, name@x,y a point inside that pad or via, vN(x,y) a via of type N, cw(c..) or ccw(c..) an arc to the next point about the centre after c; other vN are vias at no path point)
1HO: D8.k eg002.6 R38.1 | length 1342
  Top Layer w20: D8.k@777.1,1775 721.72,1775 710,1786.72 710,2040 v2(1150,2480) ; D8.k@777.1,1784.24 846.42,1784.24 856.1,1793.93 R38.1@856.1,1800
  Bottom Layer w20: v2(1150,2480) 1318.53,2648.53 1318.53,2713.53 eg002.6@1320,2715
1LO: D21.k eg002.3 R52.1 | length 710.1
  Top Layer w20: eg002.3@1620,2715 1623.97,2711.03 1623.97,2651.03 1900,2375 2002.18,2375 2013.9,2363.28 R52.1@2013.9,2317.78 ; R52.1@2013.9,2310 R52.1@2013.9,2317.78 ; D21.k@2091.97,2327.46 2023.58,2327.46 R52.1@2013.9,2317.78
2HO: D7.k eg002.10 R37.1 | length 1847.8
  Top Layer w20: R37.1@861.1,1155 785,1155 681.72,1155 670,1166.72 670,2055.07 908.76,2293.83 908.76,2703.76 eg002.10@920,2715
2LO: D22.k eg002.8 R51.1 | length 1732.6
  Top Layer w20: eg002.8@1120,2715 1123.97,2711.03 1123.97,2651.03 1540,2235 1540,1765.46 1551.72,1753.74 1986.26,1753.74 2005,1735 2005,1698.9 R51.1@2008.9,1695 2008.9,1702.78 2018.58,1712.46 D22.k@2086.97,1712.46
5v: C1.2 C22.2 C23.2 C32.1 CoN4.1 CoN5.1 L5.2 R13.2 R17.2 R23.2 R25.1 U1.4 U1.6 U1.18 U7.1 | length 2533.3
  Top Layer w12: v3(5004.19,1282.19) 5057.53,1282.19 R25.1@5064.72,1275 ; v3(5049.19,1487.19) 5049.19,1539.47 C22.2@5054.72,1545 ; U1.6@5082.68,1817.76 5084.52,1819.6 5156.6,1819.6 v3(5159.19,1822.19) ; U1.4@5082.68,1880.75 5083.4,1881.47 5158.47,1881.47 v3(5159.19,1882.19) ; v3(5219.19,1527.19) 5222.64,1530.63 5270.04,1530.63 R23.2@5274.41,1535 ; v3(5339.19,1782.19) 5341.41,1784.41 5415.48,1784.41 U1.18@5417.32,1786.26 ; R13.2@5980.28,1785 5982.74,1782.54 v3(6050.47,1782.54)
  Top Layer w20: L5.2@4798.74,355 4798.74,246.26 4910.59,134.41 R17.2@5585,134.41
  Top Layer w50: L5.2@4798.74,355 4804.65,355 5021.3,571.65 C32.1@5021.3,775 5162.44,775 5167.44,770 5167.44,772.28 5167.56,772.4 5312.96,772.4 v2(5375.84,835.28) ; C23.2@5925,2180.28 6012.99,2180.28 6042.28,2150.99 6042.28,2080.08 U7.1@6044.02,2078.35
5V2: C55.1 C67.1 eg002.14 IC3.1 R27.1 R69.1 U6.5 | length 5968.5
  Top Layer w20: eg002.14@520,2715 520,2810 653.68,2943.68 720.06,2943.68 720.34,2943.4 968.37,2943.4 968.65,2943.11 1793.11,2943.11 1934.11,3084.11 1934.11,3854.11 2137.26,4057.26 v2(2526.2,4057.26)
  Top Layer w50: U6.5@2280,4595 2280,4730 2510,4960 2643.58,4960 C67.1@2655,4948.58 ; C67.1@2655,4941.3 C67.1@2655,4948.58 ; R69.1@3640,4735.28 3640,4805 3475,4970 2666.42,4970 2655,4958.58 C67.1@2655,4948.58 ; R69.1@3640,4737.05 3640.59,4737.64 3727.64,4737.64 IC3.1@3730,4740
  Bottom Layer w20: eg002.14@520,2715 520,2630 540,2610 640,2610 664.85,2585.15 664.85,2533.82 R27.1@665.27,2533.4
  Bottom Layer w50: U6.5@2280,4595 2460,4595 2535,4520 2535,4066.06 v2(2526.2,4057.26)
12v: C3.1 C29.2 C37.1 Con6.2 Con7.1 D23.k L1.2 Q1.1 R16.2 R20.2 R67.1 U3.4 U4.7 | length 8559.3
  Top Layer w50: Con7.1@3928.39,4939.59 3915.98,4951.99 Con7.1@3915.98,4960 3916.12,4960.14 4029.86,4960.14 R67.1@4030,4960.28 ; C37.1@4192.4,2775 4189.65,2775 4187.09,2772.44 4187.09,2700.12 D23.k@4180,2693.03 4310.71,2693.03 4315.79,2687.95 4315.79,2609.84 4328.19,2597.44 Con6.2@4340,2597.44 ; v2(5160,895) 5162.48,897.48 Q1.1@5162.48,985.43 5279.72,985.43 5285,980.16 C29.2@5285,977.4 ; U3.4@5586.94,420 5685,420 5685,538.58 5795,648.58 5795,1120 ; 5615,1250 C3.1@5615,1120 5795,1120 ; R20.2@5890,997.4 5887.44,999.96 5887.44,1072.56 5840,1120 5795,1120
  Bottom Layer w25: Con7.1@3915.98,4960 3940.89,4984.9 3940.89,5024.9 3955.53,5039.55 4810.45,5039.55 4890,4960 U4.7@4890,4900
  Bottom Layer w50: Con7.1@3917.22,4958.77 3917.22,2900.96 4220.4,2597.77 4469.16,2597.77 4710,2356.93 4710,1345 v2(5160,895) 5250,805 5515,540 v2(5690,540)
15V2: C56.1 C68.1 eg002.12 U6.4 | length 4247.6
  Top Layer w20: eg002.12@720,2715 725,2720 725,2810 827.48,2912.48 1809.59,2912.48 1970.88,3073.77 1970.88,3845.78 2152.13,4027.04 2396.85,4027.04 v2(2427.68,3996.21)
  Top Layer w50: C56.1@1769.21,4899.21 1938.58,4899.21 1950,4887.8 C68.1@1950,4856.3 1950,4855.71 1961.42,4844.29 2061.42,4844.29 2120,4785.71 2120,4530 2155,4495 U6.4@2280,4495 U6.4@2275.01,4499.99
  Bottom Layer w50: U6.4@2280,4495 2390.71,4495 2427.68,4458.03 v2(2427.68,3996.21)
24V: C40.1 C41.1 C42.1 C43.1 C44.1 C45.1 C46.1 C47.1 C48.1 C49.1 C50.1 Con8.1 pad.12@6885,2545 pad.12@6890,1460 pad.29 Q2.3 Q3.3 Q4.3 Q5.3 R14.2 U7.4 U7.5 | length 952.9
  Top Layer w20: R14.2@5845.28,2315 5845.28,2320.91 5854.96,2330.59 5860.87,2330.59 5901.16,2370.88 v3(5974.3,2370.88)
  Bottom Layer w20: v3(5974.3,2370.88) 6749.12,2370.88 6765,2355
  other v2: 5816.18,2790.35 5890,2790.35 5961.85,2790.35 6040.59,2790.35 5816.18,2882.87 5890,2882.87 5961.85,2882.87 6040.59,2882.87 5816.18,3014.76 5890,3014.76 5961.85,3014.76 6040.59,3014.76 5816.18,3106.3 5890,3106.3 5961.85,3106.3 6040.59,3106.3 5808.15,3245.47 5881.97,3245.47 5953.82,3245.47 6032.56,3245.47 5808.15,3337.99 5881.97,3337.99 5953.82,3337.99 6032.56,3337.99 5808.15,3469.88 5881.97,3469.88 5953.82,3469.88 6032.56,3469.88 5808.15,3561.42 5881.97,3561.42 5953.82,3561.42 6032.56,3561.42 5811.18,3825.35 5885,3825.35 5956.85,3825.35 6035.59,3825.35 5811.18,3917.87 5885,3917.87 5956.85,3917.87 6035.59,3917.87 5811.18,4049.76 5885,4049.76 5956.85,4049.76 6035.59,4049.76 5811.18,4141.3 5885,4141.3 5956.85,4141.3 6035.59,4141.3 5808.15,4285.47 5881.97,4285.47 5953.82,4285.47 6032.56,4285.47 5808.15,4377.99 5881.97,4377.99 5953.82,4377.99 6032.56,4377.99 5808.15,4509.88 5881.97,4509.88 5953.82,4509.88 6032.56,4509.88 5808.15,4601.42 5881.97,4601.42 5953.82,4601.42 6032.56,4601.42
24V_1: D1.A R1.1 U4.3 | length 6104
  Top Layer w20: v3(4805,4770) 4779.1,4744.1 4599.97,4744.1 4523.19,4667.32 4523.19,2776.7 4589.89,2710 v3(5030,2710) ; R1.1@6518.7,1140 6525,1146.3 v3@6525,1640
  Bottom Layer w20: v3(4805,4770) 5160,4770 U4.3@5290,4900 ; v3(5030,2710) 5030,2535 5230,2335 5762.5,2335 5765.34,2332.16 6297.84,2332.16 6525,2105 v3@6525,1640
  other v3: 6527.03,1637.85
24V_2: Con8.2 R1.2 R3.1 R6.1 R9.1
  other v2: 4545,2270 4599.88,2290.27 4545,2325 4600,2355 4545,2385
400V: C34.2 C35.2 C69.2 C70.2 D13.2 D14.2 Q6.2 Q7.2 R64.2 R73.2 U6.1 | length 4164.5
  Top Layer w50: C70.2@390,4555 548.76,4555 798.33,4305.43 1599.57,4305.43 1710,4195 U6.1@2280,4195 2680.75,4195 3041.85,4556.1 R64.2@3045,4556.1 ; Q7.2@1150,2065 1417.22,2065 1447.22,2095 C34.2@1455,2095
  Bottom Layer w50: C35.2@600,980 600,1195 828.46,1423.46 Q6.2@1146.89,1423.46 Q6.2@1146.89,1405.03 ; Q7.2@1136.97,2078.03 Q7.2@1150,2065
  other v4: 1535,3995 1071.56,4000.75
A0: C65.1 R74.2 U1.23 | length 507.7
  Top Layer w20: U1.23@5417.32,1943.74 5826.89,1943.74 5839.72,1930.91 R74.2@5839.72,1925
  Top Layer w50: R74.2@5839.72,1930.91 C65.1@5839.72,2005
beep: Con7.2 U4.2 | length 1747.8
  Top Layer w20: Con7.2@3817.56,4960 3817.56,5037.56 3835,5055 v3(5200,5055)
  Bottom Layer w20: v3(5200,5055) 5280,5055 5377.54,4957.46 5377.54,4912.46 U4.2@5390,4900
fan: R66.1 U4.4 | length 4205.4
  Top Layer w20: v3(3860,2505) 3862.71,2505 3867.71,2500 R66.1@3939.72,2500
  Bottom Layer w20: v3(3860,2505) 3860,4800 3751.23,4908.77 3751.23,5021.23 3805,5075 5064.07,5075 5187.07,4952 5187.07,4902.93 U4.4@5190,4900